# Allegro board SDHCalFEB20180110.brd (continued)
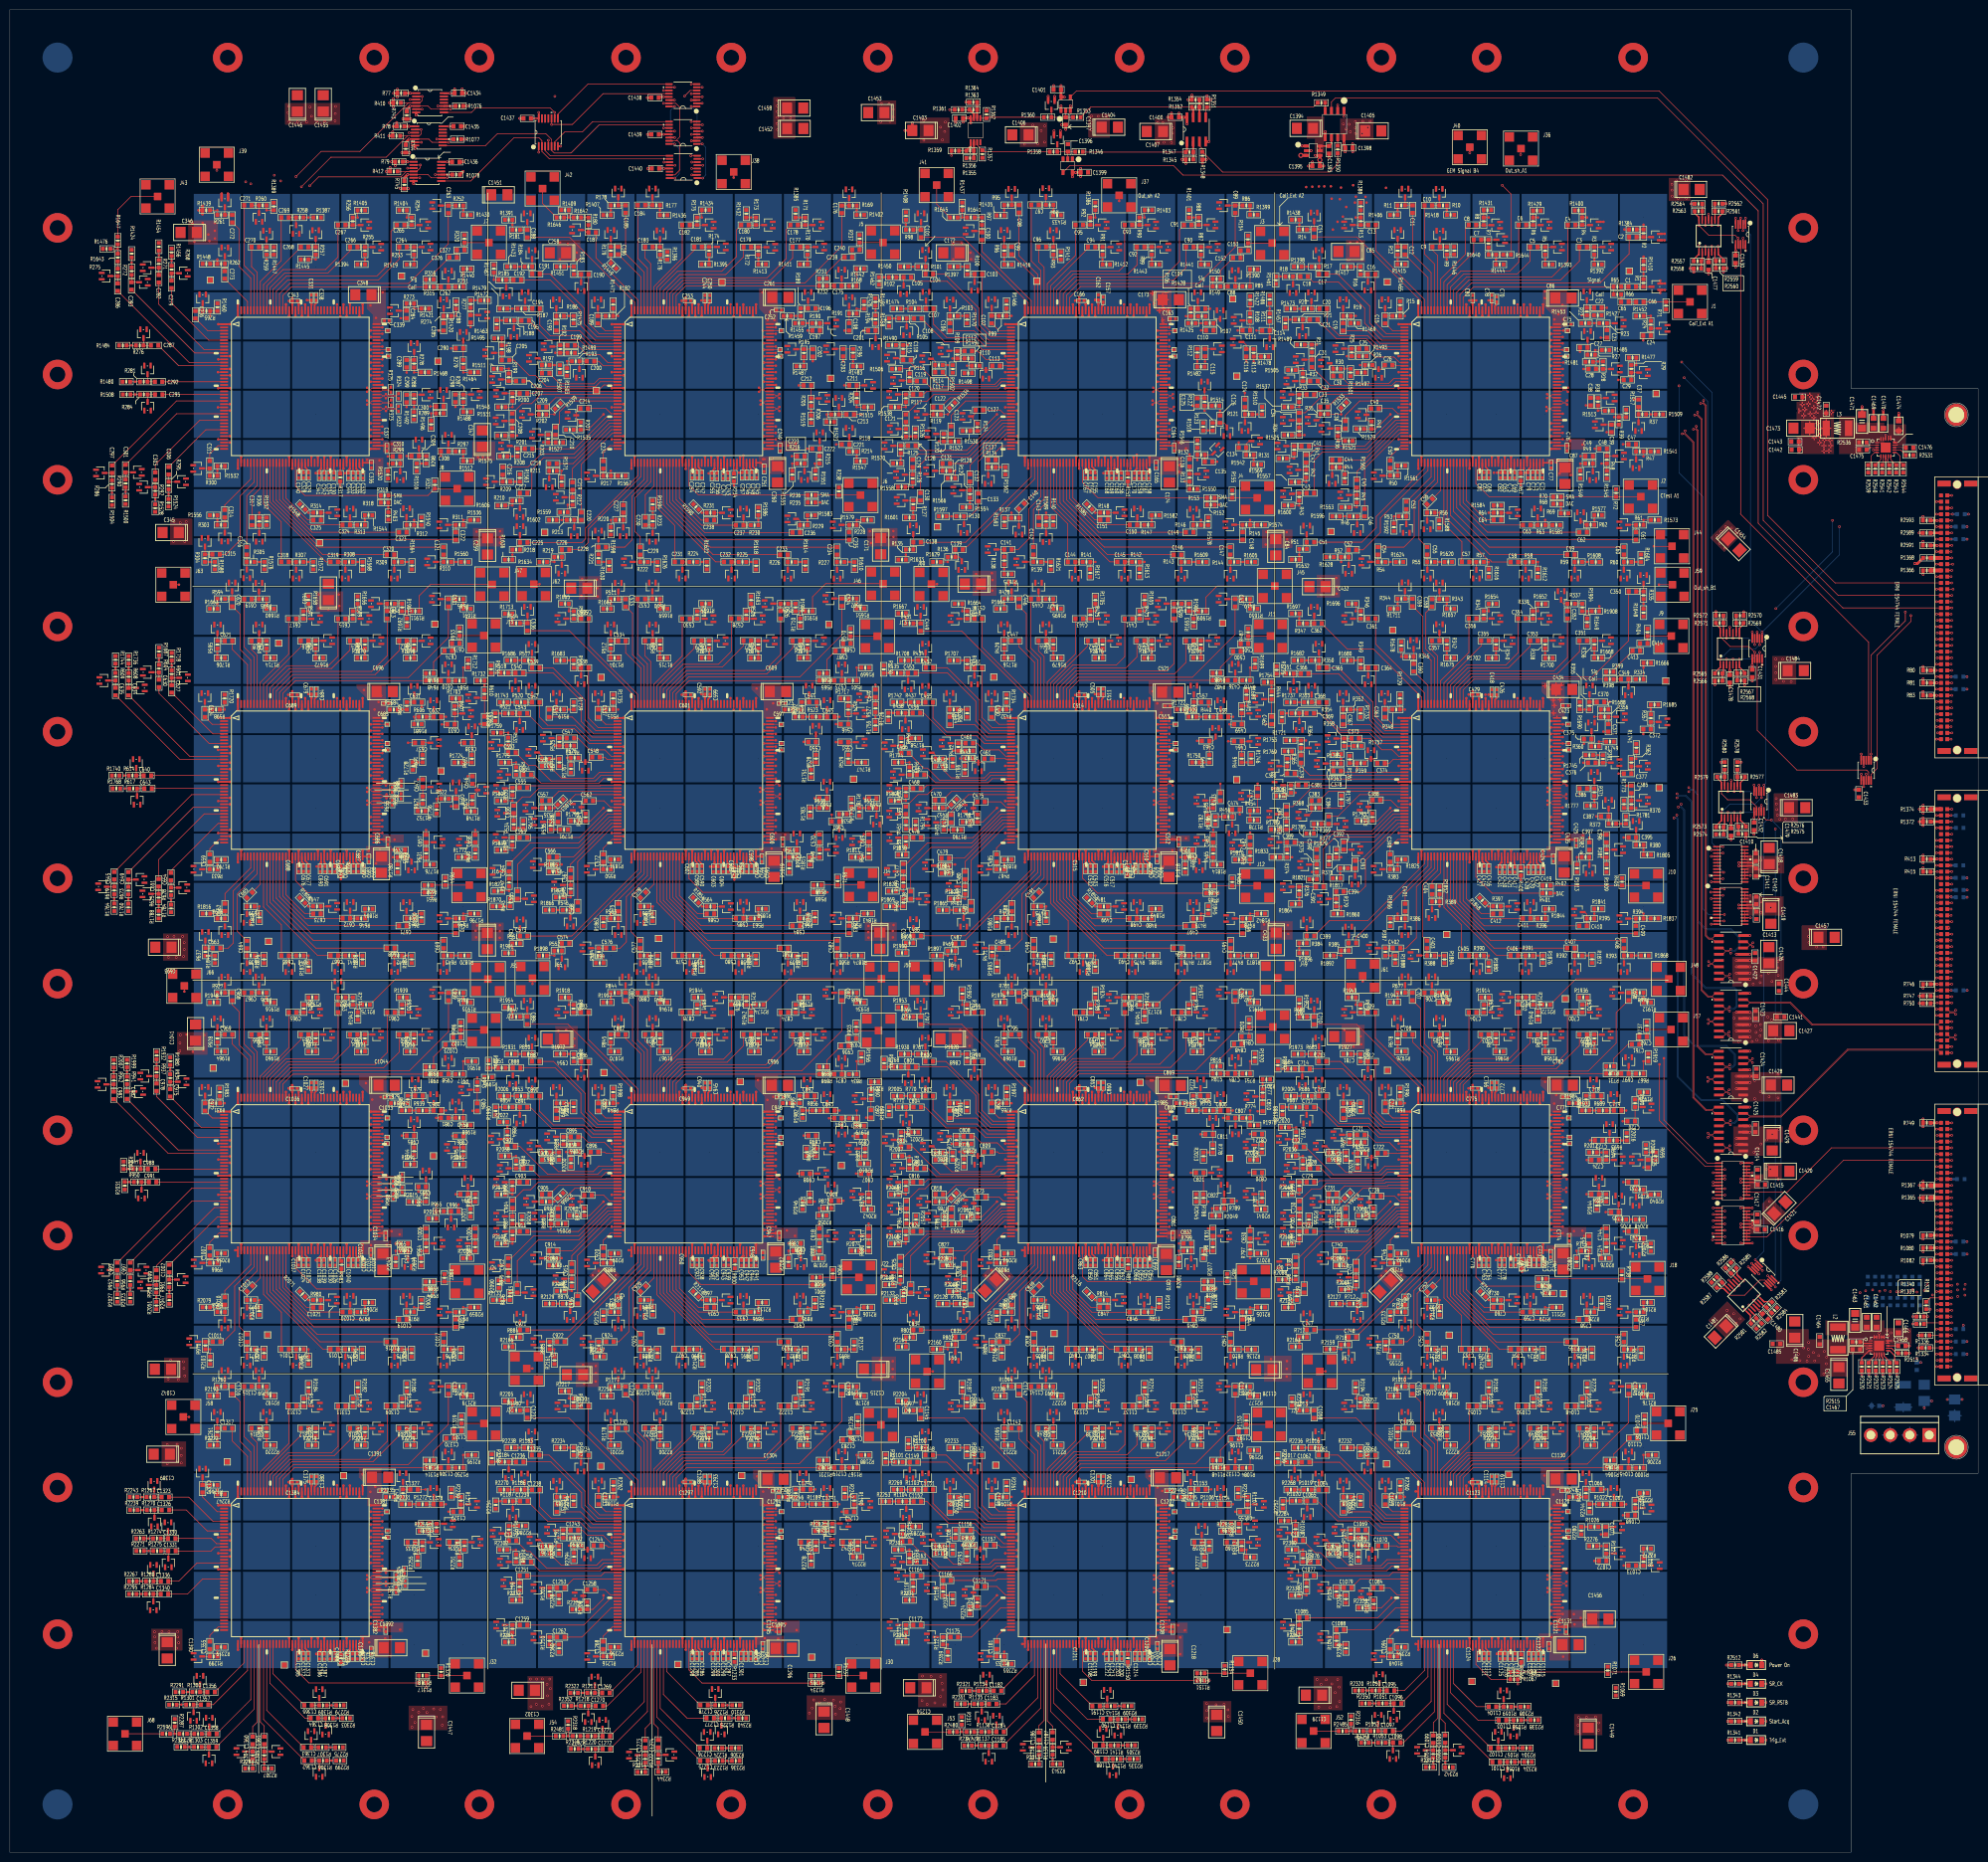
[diagram p0: board, top side]
## Routing (per net, layer and track width the routed paths; a pad name or vN(x,y) marks a point on that pad's centre or on a via; arc(x,y) is an arc through that point) (continued)
  SIG2 w0.127: v2(72.64,221.41) 79.05,221.41 79.76,220.7 96.9,220.7 97.46,220.14 123.57,220.14 124.23,220.8 151.61,220.8 152.22,221.41 v2(154.13,221.41) 158.91,221.41 160.25,220.07 203.45,220.07 204.17,220.78 231.67,220.78 232.31,221.41 v2(234.14,221.41) 239.5,221.41 240.61,220.29 272.11,220.29 272.88,219.52 311.77,219.52 313.66,221.41 v2(316.49,221.41)
  BOTTOM w0.508: R414.2 394.75,197.99 v4(394.75,198)
TRANSMITON1B_C: length 349.1
  TOP w0.127: U715.106 v1(153.39,141.4) ; U650.106 v1(233.4,141.4) ; J34.B10 v4(391.92,173.87) 390.71,173.87 R747.2 ; U585.106 v1(315.78,141.4) ; U780.106 v1(73.38,141.4)
  GND1 w0.127: v1(73.38,141.4) v2(72.65,141.4) ; v1(233.4,141.4) v2(232.67,141.4) ; v1(153.39,141.4) v2(154.13,141.4) ; v1(315.78,141.4) v2(316.51,141.4)
  SIG1 w0.127: v4(391.92,173.87) 391.33,173.28 383.03,173.28 350.37,140.61 346.02,140.61 343.36,137.95 v2(332.74,137.95)
  SIG2 w0.127: v2(72.65,141.4) 78.54,141.4 79.83,140.11 123.75,140.11 124.36,140.72 151.74,140.72 152.42,141.4 v2(154.13,141.4) 161.01,141.4 161.72,140.69 191.01,140.69 191.59,140.11 203.2,140.11 203.78,140.69 231.96,140.69 v2(232.67,141.4) 239.91,141.4 240.69,140.61 257.61,140.61 258.69,139.53 311.87,139.53 313.74,141.4 v2(316.51,141.4) 317.5,141.4 320.95,137.95 v2(332.74,137.95)
TRANSMITON1B_D: length 362.3
  TOP w0.127: U845.106 v1(315.78,61.39) ; J33.B20 v4(391.92,122.81) ; U975.106 v1(153.39,61.39) ; U1040.106 v1(73.38,61.39) ; U910.106 v1(233.4,61.39)
  TOP w0.508: R1080.2 391.91,122.82 v4(391.92,122.81)
  GND1 w0.127: v1(233.4,61.39) v2(234.14,61.39) ; v1(73.38,61.39) v2(74.12,61.39) ; v1(153.39,61.39) v2(154.13,61.39) ; v1(315.78,61.39) v2(316.51,61.39)
  SIG1 w0.127: v2(316.51,61.39) 328.11,61.39 353.77,87.05 353.77,97.28 379.3,122.81 v4(391.92,122.81)
  SIG2 w0.127: v2(316.51,61.39) 313.66,61.39 312.93,60.66 284.23,60.66 283.67,60.1 239.73,60.1 238.43,61.39 v2(234.14,61.39) 233.19,61.39 232.54,60.73 204.52,60.73 203.86,60.07 159.94,60.07 158.63,61.39 v2(154.13,61.39) 153.08,61.39 152.43,60.73 124.36,60.73 123.7,60.07 79.63,60.07 78.31,61.39 v2(74.12,61.39)
TRANSMITON1B_E: length 1.7
  TOP w0.127: J33.A5 v4(394.75,103.76)
  BOTTOM w0.127: R1335.1 395.7,103.76 v4(394.75,103.76)
TRANSMITON2B_A: length 360.9
  TOP w0.127: U260.107 v1(75.74,302.07) ; J35.A11 v4(394.75,238.89) ; v1(235.76,302.07) U130.107 ; U65.107 v1(313.41,302.07) ; v1(155.75,302.07) 154.57,302.07 U195.107
  GND1 w0.127: v2(156.49,302.07) v1(155.75,302.07) ; v2(236.5,302.07) v1(235.76,302.07) ; v1(313.41,302.07) v2(314.15,302.07) ; v1(75.74,302.07) v2(76.48,302.07)
  SIG1 w0.127: v2(314.15,302.07) 317.72,302.07 318.59,302.95 323.75,302.95 344.07,282.63 344.07,279.53 384.12,239.47 394.17,239.47 v4(394.75,238.89)
  SIG2 w0.127: v2(314.15,302.07) 312.61,302.07 311.28,300.74 284.18,300.74 283.57,300.13 262.73,300.13 261.54,301.31 239.4,301.31 238.65,302.07 v2(236.5,302.07) 232.4,302.07 232.14,302.07 231.47,301.4 209.88,301.4 209.25,302.03 202.49,302.03 201.35,300.89 181.12,300.89 180.52,301.5 159.41,301.5 158.84,302.07 v2(156.49,302.07) 143.68,302.07 142.67,301.07 129.46,301.07 128.22,302.31 120.27,302.31 119.59,301.63 110.77,301.63 110.32,302.07 v2(76.48,302.07)
  BOTTOM w0.508: R82.2 394.75,238.89 v4(394.75,238.89)
TRANSMITON2B_B: length 340.5
  TOP w0.127: U520.107 v1(75.74,222.06) ; U455.107 v1(155.75,222.06) ; v1(235.76,222.06) U390.107 ; U325.107 v1(313.41,222.06) ; R415.2 391.9,199.25 v4(391.92,199.27) J34.B30
  GND1 w0.127: v1(75.74,222.06) v2(76.48,222.06) ; v1(235.76,222.06) v2(236.5,222.06) ; v1(313.41,222.06) v2(314.15,222.06) ; v1(155.75,222.06) v2(156.49,222.06)
  SIG1 w0.127: v4(391.92,199.27) 380.57,199.27 362.33,217.5 358.29,217.5 353.02,222.77 318.35,222.77 317.64,222.06 v2(314.15,222.06)
  SIG2 w0.127: v2(76.48,222.06) 96.76,222.06 97.93,220.89 117.51,220.89 118.9,222.28 126.34,222.28 126.99,221.63 144.23,221.63 144.98,222.38 152.1,222.38 152.41,222.06 v2(156.49,222.06) 159.3,222.06 160.68,220.68 198.7,220.68 200.28,222.25 209.78,222.25 210.54,221.49 231.78,221.49 232.35,222.06 v2(236.5,222.06) 239.92,222.06 241.08,220.89 277.28,220.89 278.08,220.09 283.64,220.09 284.3,220.75 311.79,220.75 313.09,222.06 v2(314.15,222.06)
TRANSMITON2B_C: length 349
  TOP w0.127: v1(235.76,142.05) U650.107 ; U585.107 v1(313.41,142.05) ; U780.107 v1(75.74,142.05) ; U715.107 v1(155.75,142.05) ; J34.A11 v4(394.75,175.14)
  GND1 w0.127: v1(235.76,142.05) v2(236.5,142.05) ; v1(155.75,142.05) v2(156.49,142.05) ; v1(313.41,142.05) v2(314.15,142.05) ; v1(75.74,142.05) v2(76.48,142.05)
  SIG1 w0.127: v2(329.77,138.68) 331.98,140.89 349.28,140.89 382.88,174.5 394.12,174.5 v4(394.75,175.14)
  SIG2 w0.127: v2(329.77,138.68) 323.34,138.68 319.98,142.05 v2(314.15,142.05) 313.12,142.05 311.84,140.77 284.05,140.77 283.41,140.13 258.95,140.13 257.86,141.22 241.15,141.22 240.32,142.05 v2(236.5,142.05) 232.3,142.05 231.6,141.35 208.15,141.35 207.24,142.27 200.61,142.27 199.42,141.07 191.47,141.07 190.49,142.05 v2(156.49,142.05) 152.34,142.05 151.74,141.45 128.65,141.45 127.84,142.27 116.1,142.27 114.73,140.89 80.32,140.89 79.16,142.05 v2(76.48,142.05)
  BOTTOM w0.508: v4(394.75,175.14) 394.75,175.13 R748.2
TRANSMITON2B_D: length 364.5
  TOP w0.127: U1040.107 v1(75.74,62.04) ; J33.A21 v4(394.75,124.08) ; U910.107 v1(235.76,62.04) ; U975.107 v1(155.75,62.04) ; U845.107 v1(313.41,62.04)
  GND1 w0.127: v1(75.74,62.04) v2(76.48,62.04) ; v1(155.75,62.04) v2(156.49,62.04) ; v1(235.76,62.04) v2(236.5,62.04) ; v1(313.41,62.04) v2(314.15,62.04)
  SIG1 w0.127: v4(394.75,124.08) 394.17,123.49 378.97,123.49 353.01,97.54 353.01,87.22 330.3,64.52 324.33,64.52 321.86,62.04 v2(314.15,62.04)
  SIG2 w0.127: v2(314.15,62.04) 313.32,62.04 312.67,61.39 288.39,61.39 287.5,62.28 277.22,62.28 275.74,60.81 239.88,60.81 238.65,62.04 v2(236.5,62.04) 232.75,62.04 232.08,61.37 207.7,61.37 206.81,62.25 198.17,62.25 196.63,60.72 159.96,60.72 158.64,62.04 v2(156.49,62.04) 152.9,62.04 152.3,61.44 127.61,61.44 127.09,61.96 122.97,61.96 121.82,60.81 79.76,60.81 78.52,62.04 v2(76.48,62.04)
  BOTTOM w0.508: v4(394.75,124.08) 394.75,124.08 R1081.2
TRANSMITON2B_E: length 2.4
  TOP w0.127: R1336.1 392.7,105.03 J33.B6
TRIGEXT_A: length 362
  TOP w0.127: U195.86 154.57,288.42 v1(155.75,288.42) ; U65.86 v1(315.77,288.42) ; J35.B6 v4(391.92,232.54) ; v1(233.4,288.42) U130.86 ; U260.86 v1(75.74,288.42)
  GND1 w0.127: v1(75.74,288.42) v2(76.48,288.42) ; v1(315.77,288.42) v2(316.51,288.42) ; v1(233.4,288.42) 232.96,288.42 232.95,288.42 232.87,288.42 232.87,288.42 v2(232.66,288.42) ; v2(156.49,288.42) v1(155.75,288.42)
  SIG1 w0.127: v4(391.92,232.54) 372.51,232.54 356.01,249.05 354.05,249.05 339.12,263.98 339.12,275.08 326.44,287.76 317.17,287.76 v2(316.51,288.42)
  SIG2 w0.127: v2(316.51,288.42) 308.11,288.42 305.49,285.8 292.02,285.8 288.9,282.68 269.32,282.68 268.1,281.46 246.51,281.46 239.55,288.42 v2(232.66,288.42) 209.5,288.42 208.2,287.12 203.58,287.12 202.28,288.42 v2(156.49,288.42) 131.32,288.42 129.95,287.05 123.65,287.05 122.94,287.76 105.82,287.76 105.21,287.15 80.54,287.15 79.27,288.42 v2(76.48,288.42)
TRIGEXT_B: length 337.2
  TOP w0.127: U455.86 v1(155.75,208.41) ; J34.B25 v4(391.92,192.92) ; U520.86 v1(75.74,208.41) ; U325.86 v1(315.77,208.41) ; U390.86 v1(235.76,208.41) U390.86
  GND1 w0.127: v1(75.74,208.41) v2(76.48,208.41) ; v1(315.77,208.41) v2(316.79,208.41) ; v1(235.76,208.41) v2(236.5,208.41) ; v1(155.75,208.41) v2(156.49,208.41)
  SIG1 w0.127: v4(391.92,192.92) 379.78,192.92 367.84,204.85 320.35,204.85 v2(316.79,208.41)
  SIG2 w0.127: v2(76.48,208.41) 81.48,208.41 82.58,207.31 107.04,207.31 108.13,208.41 v2(156.49,208.41) 163.04,208.41 165.21,206.24 200.42,206.24 202.59,208.41 v2(236.5,208.41) 240.54,208.41 243.79,205.16 288.82,205.16 292.08,208.41 v2(316.79,208.41)
TRIGEXT_C: length 337.9
  TOP w0.127: U650.86 v1(235.76,128.4) ; U715.86 v1(155.75,128.4) ; v1(315.78,128.4) U585.86 ; J33.B38 v4(391.92,145.67) ; U780.86 v1(75.74,128.4)
  GND1 w0.127: v1(155.75,128.4) v2(156.49,128.4) ; v1(315.78,128.4) v2(315.04,128.4) ; v1(75.74,128.4) v2(76.48,128.4) ; v1(235.76,128.4) v2(236.5,128.4)
  SIG1 w0.127: v2(315.04,128.4) 327.68,128.4 328.14,127.94 345.21,127.94 346.28,129.01 347.5,129.01 348.29,129.8 353.12,129.8 353.57,130.25 358.29,130.25 373.71,145.67 v4(391.92,145.67)
  SIG2 w0.127: v2(315.04,128.4) 295.13,128.4 292.53,125.81 242.95,125.81 240.36,128.4 v2(236.5,128.4) 215.24,128.4 212.65,125.81 163.04,125.81 160.45,128.4 v2(156.49,128.4) 133.05,128.4 130.43,125.78 84.4,125.78 81.78,128.4 v2(76.48,128.4)
TRIGEXT_D: length 360
  TOP w0.127: U910.86 v1(235.76,48.39) ; U845.86 v1(315.78,48.39) ; U1040.86 v1(75.74,48.39) ; J33.B16 392.7,117.73 v4(391.92,117.73) ; U975.86 v1(155.75,48.39)
  GND1 w0.127: v1(235.76,48.39) v2(236.5,48.39) ; v1(155.75,48.39) v2(156.49,48.39) ; v1(315.78,48.39) v2(316.51,48.39) ; v1(75.74,48.39) v2(76.48,48.39)
  SIG1 w0.127: v4(391.92,117.73) 378.97,117.73 356.59,95.35 356.59,82.68 322.3,48.39 v2(316.51,48.39)
  SIG2 w0.127: v2(316.51,48.39) v2(236.5,48.39) v2(156.49,48.39) v2(76.48,48.39)
TRIGEXT_E: length 100.6
  TOP w0.127: J33.A1 v4(394.75,98.68) ; v4(357.12,22.78) 356.24,22.78
  SIG1 w0.127: v4(394.75,98.68) 393.84,97.76 390.14,97.76 379.88,87.5 370.94,87.5 359.11,75.67 359.11,24.77 v4(357.12,22.78)
V_BG_ASIC_A1: length 10.9
  TOP w0.305: v1(305.27,283.53) U65.70 305.27,280.58 C73.2 ; v1(307.24,277.75) R67.2
  GND1 w0.305: v1(305.27,283.53) v2(305.27,282.41) ; v1(307.24,277.75) v2(307.24,278.49)
  SIG3 w0.305: v2(307.24,278.49) 307.24,280.44 v2(305.27,282.41)
V_BG_ASIC_A2: length 12.5
  TOP w0.305: v1(227.36,277.65) 227.36,278.58 R151.2 ; v1(225.26,283.53) U130.70 225.26,280.46 C160.2
  GND1 w0.305: v1(225.26,283.53) v2(225.26,284.26) ; v2(227.36,278.38) v1(227.36,277.65)
  SIG2 w0.305: v2(225.26,284.26) 225.26,280.48 v2(227.36,278.38)
V_BG_ASIC_A3: length 11
  TOP w0.305: R234.2 v1(147.25,277.7) ; v1(145.25,283.53) U195.70 145.25,280.42 C247.2
  GND1 w0.305: v1(147.25,277.7) v2(147.25,278.43) ; v1(145.25,283.53) v2(145.25,282.79)
  SIG3 w0.305: v2(147.25,278.43) 147.27,278.46 147.27,279.57 145.25,281.6 v2(145.25,282.79)
V_BG_ASIC_A4: length 11.1
  TOP w0.305: R317.2 67.18,278.61 v1(67.18,277.65) ; C334.2 65.24,280.6 U260.70 v1(65.24,283.53)
  GND1 w0.305: v1(65.24,283.53) v2(65.24,282.79) ; v2(67.18,278.38) v1(67.18,277.65)
  SIG3 w0.305: v2(67.18,278.38) 67.18,280.84 v2(65.24,282.79)
V_BG_ASIC_B1: length 11.2
  TOP w0.305: v1(305.27,203.52) U325.70 305.27,200.95 305.05,200.73 C421.2 ; v1(307.26,197.56) 307.27,197.57 R400.2
  GND1 w0.305: v1(305.27,203.52) v2(305.27,202.78) ; v1(307.26,197.56) v2(307.26,198.3)
  SIG3 w0.305: v2(307.26,198.3) 305.27,200.29 v2(305.27,202.78)
V_BG_ASIC_B5: length 2.1
  TOP w0.305: U390.70 225.26,200.87 225.08,200.7 C508.2
V_BG_ASIC_B6: length 11
  TOP w0.305: v1(145.25,203.52) U455.70 145.25,200.97 145.1,200.83 C595.2 ; v1(147.33,197.64) R567.2
  GND1 w0.305: v1(145.25,203.52) v2(145.25,202.78) ; v2(147.33,198.37) v1(147.33,197.64)
  SIG3 w0.305: v2(145.25,202.78) 145.25,200.46 v2(147.33,198.37)
V_BG_ASIC_B7: length 10.9
  TOP w0.305: C682.2 65.09,200.8 65.24,200.95 U520.70 v1(65.24,203.52) ; v1(67.32,197.71) R650.2
  GND1 w0.305: v1(65.24,203.52) v2(65.24,202.78) ; v2(67.32,198.45) v1(67.32,197.71)
  SIG3 w0.305: v2(65.24,202.78) 67.32,200.7 v2(67.32,198.45)
V_BG_ASIC_C1: length 10.5
  TOP w0.305: C769.2 305.27,120.37 U585.70 v1(305.27,123.51) ; v1(307.5,117.93) R733.2
  GND1 w0.305: v1(305.27,123.51) v2(305.27,122.77) ; v1(307.5,117.93) v2(307.5,118.67)
  SIG3 w0.305: v2(305.27,122.77) 307.5,120.54 v2(307.5,118.67)
V_BG_ASIC_C2: length 3.2
  TOP w0.305: v1(225.26,123.51) U650.70 225.26,120.42 C856.2
V_BG_ASIC_C3: length 2
  TOP w0.305: C943.2 145.15,120.89 145.25,120.99 U715.70
V_BG_ASIC_C4: length 10.9
  TOP w0.305: C1030.2 65.09,120.82 65.24,120.97 U780.70 v1(65.24,123.51)
  TOP w0.508: v1(67.42,117.68) R983.2
  GND1 w0.508: v2(67.41,118.41) 67.41,118.41 67.41,117.69 v1(67.42,117.68) ; v1(65.24,123.51) v2(65.24,122.77)
  SIG3 w0.508: v2(67.41,118.41) 65.24,120.59 v2(65.24,122.77)
V_BG_ASIC_D1: length 10.9
  TOP w0.305: v1(305.27,43.5) U845.70 305.27,40.83 305.1,40.66 C1117.2
  TOP w0.508: R1066.2 v1(307.34,37.69)
  GND1 w0.508: v1(307.34,37.69) v2(307.34,38.43) ; v2(305.27,42.76) v1(305.27,43.5)
  SIG2 w0.508: v2(305.27,42.76) 307.34,40.69 v2(307.34,38.43)
V_BG_ASIC_D2: length 11.2
  TOP w0.305: C1203.2 225.11,40.66 225.26,40.8 U910.70 v1(225.26,43.68)
  TOP w0.508: v1(227.34,37.72) R1150.2
  GND1 w0.508: v2(227.34,38.46) v1(227.34,37.72) ; v1(225.26,43.68) v2(225.26,42.94)
  SIG2 w0.508: v2(225.26,42.94) 225.26,40.54 v2(227.34,38.46)
V_BG_ASIC_D3: length 3.2
  TOP w0.305: v1(145.25,43.5) U975.70 145.25,40.46 C1290.2
V_BG_ASIC_D4: length 2.1
  TOP w0.305: U1040.70 65.24,40.96 65.09,40.81 C1377.2
VAL_EVTN: length 46.3
  TOP w0.102: U1054.7 353.21,150.14 353.73,149.62 360.11,149.62 373.67,163.18 392.17,163.18 J34.B2
VAL_EVTN_A: length 432.7
  TOP w0.102: v1(156.48,293.7) 156.18,293.4 155.74,293.4 155.52,293.62 U195.94 ; U65.94 313.64,293.62 313.43,293.4 312.78,293.4 v1(312.48,293.7) ; R322.2 78.64,293.42 76.76,293.42 v1(76.47,293.7) 76.18,293.4 75.73,293.4 75.51,293.62 U260.94 ; v4(340.66,288.84) 340.66,288.37 342.43,286.6 342.43,153.43 344.97,150.89 346.21,150.89 346.74,151.41 U1054.9 ; v1(236.7,293.7) 236.4,293.4 235.75,293.4 235.53,293.62 U130.94
  GND1 w0.102: v2(238.13,293.77) 237.76,293.4 237,293.4 v1(236.7,293.7) ; v2(157.85,293.77) 157.48,293.4 156.78,293.4 v1(156.48,293.7) ; v2(311.05,293.78) 311.42,293.41 312.18,293.41 v1(312.48,293.7) ; v1(76.47,293.7) 76.77,293.4 77.53,293.4 v2(77.91,293.78)
  SIG2 w0.102: v4(340.66,288.84) 340.25,288.84 338.43,290.65 322.25,290.65 319.51,293.4 311.43,293.4 v2(311.05,293.78) 310.68,293.4 305.24,293.4 301.78,289.94 252.25,289.94 250.75,291.44 242.63,291.44 240.67,293.4 238.5,293.4 v2(238.13,293.77) 237.76,293.4 209.43,293.4 208.33,292.3 203.12,292.3 201.19,294.23 170.94,294.23 170.11,293.4 158.22,293.4 v2(157.85,293.77) 157.48,293.4 127.62,293.4 125.78,291.57 82.37,291.57 80.54,293.4 78.28,293.4 v2(77.91,293.78)
VAL_EVTN_B: length 363.3
  TOP w0.102: U455.94 153.62,213.61 153.41,213.39 152.96,213.39 v1(152.66,213.69) ; v4(349.87,147.83) 349.57,148.13 348.81,148.13 348.28,147.6 U1054.12 ; U325.94 313.64,213.61 313.43,213.39 312.98,213.39 v1(312.68,213.69) ; R655.2 77.4,213.39 75.73,213.39 75.51,213.61 U520.94 73.61,213.61 73.4,213.39 72.99,213.39 v1(72.69,213.69) ; U390.94 233.63,213.61 233.42,213.39 232.97,213.39 v1(232.67,213.69)
  GND1 w0.102: v2(234.1,213.76) 233.73,213.39 232.97,213.39 v1(232.67,213.69) ; v2(314.11,213.76) 313.74,213.39 312.98,213.39 v1(312.68,213.69) ; v1(152.66,213.69) 152.96,213.39 153.56,213.39 v2(153.93,213.76) ; v2(74.02,213.76) 73.65,213.39 72.99,213.39 v1(72.69,213.69)
  SIG2 w0.102: v4(338.97,210.75) 338.55,210.75 337.76,211.54 320.76,211.54 318.94,213.37 314.5,213.37 v2(314.11,213.76) 313.74,213.39 289.21,213.39 287.3,211.48 257.25,211.48 255.35,213.39 234.48,213.39 v2(234.1,213.76) 233.7,213.36 204.93,213.36 203.89,214.4 179.71,214.4 178.7,213.39 154.3,213.39 v2(153.93,213.76) 153.56,213.39 125.09,213.39 124.05,214.43 101.32,214.43 100.27,213.37 74.42,213.37 v2(74.02,213.76)
  BOTTOM w0.102: v4(338.97,210.75) 338.97,210.33 339.31,209.99 339.31,157.6 343.97,152.93 348.34,152.93 351.41,149.86 351.41,148.77 350.77,148.13 350.17,148.13 v4(349.87,147.83)
VAL_EVTN_C: length 303.1
  TOP w0.102: U1054.13 346.76,146.33 346.23,145.8 345.62,145.8 v4(345.32,146.1) ; v1(312.68,133.68) 312.98,133.38 313.43,133.38 313.65,133.6 U585.94 ; U715.94 153.62,133.6 153.41,133.38 152.96,133.38 v1(152.66,133.68) ; v1(72.65,133.68) 72.95,133.38 73.4,133.38 73.61,133.6 U780.94 75.51,133.6 75.73,133.38 77.6,133.38 R988.2 ; U650.94 233.64,133.6 233.42,133.38 232.97,133.38 v1(232.67,133.68)
  GND1 w0.102: v2(153.78,133.75) 153.41,133.38 152.96,133.38 v1(152.66,133.68) ; v2(314.01,133.75) 313.64,133.38 312.98,133.38 v1(312.68,133.68) ; v2(234.1,133.75) 233.73,133.38 232.97,133.38 v1(232.67,133.68) ; v2(73.8,133.75) 73.43,133.38 72.95,133.38 v1(72.65,133.68)
  SIG1 w0.102: v4(345.32,146.1) 345.02,145.8 332.66,145.8 320.24,133.38 314.38,133.38 v2(314.01,133.75)
  SIG2 w0.102: v2(314.01,133.75) 313.64,133.38 289.14,133.38 287.39,131.64 258.35,131.64 256.61,133.38 234.47,133.38 v2(234.1,133.75) 233.73,133.38 208.97,133.38 207.21,131.62 178.54,131.62 176.78,133.38 154.15,133.38 v2(153.78,133.75) 153.41,133.38 128.1,133.38 126.36,131.64 98.99,131.64 97.25,133.38 74.17,133.38 v2(73.8,133.75)
VAL_EVTN_D: length 383.2
  TOP w0.102: U1054.16 348.31,142.52 348.84,143.05 349.43,143.05 v4(349.73,142.75) ; v1(72.65,53.67) 72.95,53.37 73.4,53.37 73.61,53.59 U1040.94 75.51,53.59 75.73,53.37 78.14,53.37 R1321.2 ; v1(312.68,53.67) 312.98,53.37 313.43,53.37 313.65,53.59 U845.94 ; v1(152.66,53.67) 152.96,53.37 153.41,53.37 153.63,53.59 U975.94 ; U910.94 233.64,53.59 233.42,53.37 232.97,53.37 v1(232.67,53.67)
  GND1 w0.102: v2(233.82,53.74) 233.45,53.37 232.97,53.37 v1(232.67,53.67) ; v2(313.81,53.74) 313.44,53.37 312.98,53.37 v1(312.68,53.67) ; v1(72.65,53.67) 72.95,53.37 73.43,53.37 v2(73.8,53.74) ; v1(152.66,53.67) 152.96,53.37 153.47,53.37 v2(153.84,53.74)
  SIG2 w0.102: v2(73.8,53.74) 74.18,53.37 153.46,53.37 v2(153.84,53.74) 154.21,53.37 233.45,53.37 v2(233.82,53.74) 234.19,53.37 313.44,53.37 v2(313.81,53.74) 314.19,53.37 335.13,53.37 344.02,62.26 344.02,138.89 346.4,141.27 350.47,141.27 350.91,141.72 350.91,142.76 350.63,143.05 350.03,143.05 v4(349.73,142.75)
VAL_EVTP: length 46.3
  TOP w0.102: U1054.6 353.21,148.87 353.75,149.4 360.2,149.4 373.76,162.96 392.17,162.96 J34.B1
VAL_EVTP_A: length 432.7
  TOP w0.102: U65.93 313.64,292.97 313.43,293.19 312.78,293.19 v1(312.48,292.89) ; v1(236.7,292.89) 236.4,293.19 235.75,293.19 235.53,292.97 U130.93 ; U195.93 155.52,292.97 155.74,293.19 156.18,293.19 v1(156.48,292.89) ; U260.93 75.51,292.97 75.73,293.19 76.18,293.19 v1(76.47,292.89) 76.79,293.2 78.65,293.2 R322.1 ; v4(340.08,288.26) 340.46,288.26 342.21,286.51 342.21,153.34 344.88,150.67 346.23,150.67 346.76,150.14 U1054.10
  GND1 w0.102: v1(236.7,292.89) 237,293.19 237.76,293.19 v2(238.13,292.82) ; v1(312.48,292.89) 312.17,293.19 311.42,293.19 v2(311.05,292.82) ; v1(156.48,292.89) 156.78,293.19 157.48,293.19 v2(157.85,292.82) ; v1(76.47,292.89) 76.77,293.19 77.53,293.19 v2(77.91,292.82)
  SIG2 w0.102: v2(77.91,292.82) 78.28,293.19 80.45,293.19 82.28,291.35 125.87,291.35 127.71,293.19 157.48,293.19 v2(157.85,292.82) 158.22,293.19 170.2,293.19 171.03,294.02 201.1,294.02 203.03,292.09 208.42,292.09 209.52,293.19 237.76,293.19 v2(238.13,292.82) 238.5,293.19 240.58,293.19 242.54,291.22 250.66,291.22 252.16,289.73 301.87,289.73 305.33,293.19 310.68,293.19 v2(311.05,292.82) 311.41,293.18 319.42,293.18 322.16,290.44 338.34,290.44 340.08,288.7 v4(340.08,288.26)
VAL_EVTP_B: length 362.5
  TOP w0.102: R655.1 77.35,213.18 75.73,213.18 75.51,212.96 U520.93 73.61,212.96 73.4,213.18 72.99,213.18 v1(72.69,212.88) ; v4(349.87,148.64) 349.57,148.34 348.81,148.34 348.28,148.87 U1054.11 ; U455.93 153.62,212.96 153.41,213.18 152.96,213.18 v1(152.66,212.88) ; v1(312.68,212.88) 312.98,213.18 313.43,213.18 313.64,212.96 U325.93 ; U390.93 233.63,212.96 233.42,213.18 232.97,213.18 v1(232.67,212.88)
  GND1 w0.102: v1(152.66,212.88) 152.96,213.18 153.56,213.18 v2(153.93,212.8) ; v2(234.1,212.8) 233.73,213.18 232.97,213.18 v1(232.67,212.88) ; v1(72.69,212.88) 72.99,213.18 73.65,213.18 v2(74.02,212.81) ; v2(314.11,212.81) 313.74,213.18 312.98,213.18 v1(312.68,212.88)
  SIG2 w0.102: v2(74.02,212.81) 74.38,213.16 100.36,213.16 101.41,214.21 123.96,214.21 125,213.18 153.56,213.18 v2(153.93,212.8) 154.3,213.18 178.79,213.18 179.79,214.19 203.8,214.19 204.84,213.14 233.76,213.14 v2(234.1,212.8) 234.47,213.17 255.26,213.17 257.16,211.26 287.39,211.26 289.3,213.18 313.74,213.18 v2(314.11,212.81) 314.46,213.16 318.85,213.16 320.67,211.33 337.67,211.33 338.4,210.6 v4(338.4,210.18)
  BOTTOM w0.102: v4(338.4,210.18) 338.82,210.18 339.09,209.9 339.09,157.51 343.88,152.72 348.25,152.72 351.19,149.77 351.19,148.86 350.68,148.34 350.17,148.34 v4(349.87,148.64)
VAL_EVTP_C: length 303.1
  TOP w0.102: U650.93 233.64,132.95 233.42,133.17 232.97,133.17 v1(232.67,132.87) ; v1(312.68,132.87) 312.98,133.17 313.43,133.17 313.65,132.95 U585.93 ; v1(72.65,132.87) 72.95,133.17 73.4,133.17 73.61,132.95 U780.93 75.51,132.95 75.73,133.17 77.6,133.17 R988.1 ; U1054.14 346.76,145.06 346.23,145.59 345.62,145.59 v4(345.32,145.29) ; v1(152.66,132.87) 152.96,133.17 153.41,133.17 153.62,132.95 U715.93
  GND1 w0.102: v1(152.66,132.87) 152.96,133.17 153.41,133.17 v2(153.78,132.8) ; v1(232.67,132.87) 232.97,133.17 233.73,133.17 v2(234.1,132.8) ; v1(72.65,132.87) 72.95,133.17 73.43,133.17 v2(73.8,132.8) ; v1(312.68,132.87) 312.98,133.17 313.64,133.17 v2(314.01,132.8)
  SIG1 w0.102: v4(345.32,145.29) 345.02,145.59 332.75,145.59 320.33,133.17 314.38,133.17 v2(314.01,132.8)
  SIG2 w0.102: v2(73.8,132.8) 74.17,133.17 97.16,133.17 98.9,131.43 126.45,131.43 128.19,133.17 153.41,133.17 v2(153.78,132.8) 154.15,133.17 176.69,133.17 178.45,131.41 207.3,131.41 209.06,133.17 233.73,133.17 v2(234.1,132.8) 234.47,133.17 256.52,133.17 258.26,131.43 287.48,131.43 289.23,133.17 313.64,133.17 v2(314.01,132.8)
VAL_EVTP_D: length 383.9
  TOP w0.102: v4(349.73,143.56) 349.43,143.26 348.84,143.26 348.31,143.79 U1054.15 ; U910.93 233.64,52.94 233.42,53.16 232.97,53.16 v1(232.67,52.86) ; v1(152.66,52.86) 152.96,53.16 153.41,53.16 153.62,52.94 U975.93 ; R1321.1 78.19,53.16 75.73,53.16 75.51,52.94 U1040.93 73.61,52.94 73.4,53.16 72.95,53.16 v1(72.65,52.86) ; U845.93 313.65,52.94 313.43,53.16 312.98,53.16 v1(312.68,52.86)
  GND1 w0.102: v1(152.66,52.86) 152.96,53.16 153.47,53.16 v2(153.84,52.78) ; v1(72.65,52.86) 72.95,53.16 73.43,53.16 v2(73.8,52.78) ; v2(313.81,52.78) 313.44,53.16 312.98,53.16 v1(312.68,52.86) ; v1(232.67,52.86) 232.97,53.16 233.45,53.16 v2(233.82,52.78)
  SIG2 w0.102: v4(349.73,143.56) 350.03,143.26 350.72,143.26 351.13,142.85 351.13,141.63 350.56,141.06 346.49,141.06 344.23,138.8 344.23,62.17 335.22,53.15 314.17,53.15 v2(313.81,52.78) 313.44,53.16 234.19,53.16 v2(233.82,52.78) 233.45,53.16 154.21,53.16 v2(153.84,52.78) 153.47,53.15 74.17,53.15 v2(73.8,52.78)
VREF1.25V: length 4.8
  TOP w0.305: U1044.6 268.74,347.21 C1393.1 268.26,346.72 U1041.6 U1041.5
VREF_DAC_ASIC_A1: length 2.1
  TOP w0.305: U65.71 305.92,280.4 C69.2
VREF_DAC_ASIC_A2: length 2.2
  TOP w0.305: C156.2 225.91,280.35 U130.71
VREF_DAC_ASIC_A3: length 2.2
  TOP w0.305: U195.71 145.9,280.31 C243.2
VREF_DAC_ASIC_A4: length 2.1
  TOP w0.305: U260.71 65.89,280.26 C330.2
VREF_DAC_ASIC_B1: length 2.2
  TOP w0.305: U325.71 305.92,200.99 306.04,200.87 C417.2
VREF_DAC_ASIC_B5: length 2.2
  TOP w0.305: C504.2 226.1,200.77 225.91,200.96 U390.71
VREF_DAC_ASIC_B6: length 2.1
  TOP w0.305: U455.71 145.9,201.17 146.09,200.97 C591.2
VREF_DAC_ASIC_B7: length 2.1
  TOP w0.305: U520.71 65.89,200.99 66.08,200.8 C678.2
VREF_DAC_ASIC_C1: length 2.1
  TOP w0.305: U585.71 305.92,121.11 306.21,120.81 C765.2
VREF_DAC_ASIC_C2: length 2.1
  TOP w0.305: C852.2 225.91,120.56 U650.71
VREF_DAC_ASIC_C3: length 2.1
  TOP w0.305: C939.2 146.14,120.76 145.9,121.01 U715.71
VREF_DAC_ASIC_C4: length 2.1
  TOP w0.305: C1026.2 66.13,120.81 65.89,121.06 U780.71
VREF_DAC_ASIC_D1: length 2.1
  TOP w0.305: U845.71 305.92,40.89 306.09,40.73 C1113.2
VREF_DAC_ASIC_D2: length 2.1
  TOP w0.305: U910.71 225.91,40.89 226.1,40.7 C1200.2
VREF_DAC_ASIC_D3: length 2.1
  TOP w0.305: U975.71 145.9,40.53 C1287.2
VREF_DAC_ASIC_D4: length 2.1
  TOP w0.305: U1040.71 65.89,41.07 66.08,40.88 C1374.2
VREF_PA_ASIC_A1: length 2.1
  TOP w0.305: C67.2 299.42,280.7 U65.61
VREF_PA_ASIC_A2: length 2.2
  TOP w0.305: U130.61 219.41,281.33 219.75,280.99 C154.2
VREF_PA_ASIC_A3: length 2.2
  TOP w0.305: C241.2 139.74,280.89 139.4,281.23 U195.61
VREF_PA_ASIC_A4: length 2.2
  TOP w0.305: C328.2 59.74,280.72 59.39,281.07 U260.61
VREF_PA_ASIC_B1: length 2.2
  TOP w0.305: C415.2 299.79,200.95 299.42,201.32 U325.61
VREF_PA_ASIC_B5: length 2.2
  TOP w0.305: C502.2 219.77,200.98 219.41,201.34 U390.61
VREF_PA_ASIC_B6: length 2.1
  TOP w0.305: U455.61 139.4,201.39 139.74,201.05 C589.2
VREF_PA_ASIC_B7: length 2.1
  TOP w0.305: C676.2 59.73,200.95 59.39,201.29 U520.61
VREF_PA_ASIC_C1: length 2.2
  TOP w0.305: C763.2 299.74,120.91 299.42,121.23 U585.61
VREF_PA_ASIC_C2: length 2.2
  TOP w0.305: C850.2 219.75,121.01 219.41,121.36 U650.61
VREF_PA_ASIC_C4: length 2.1
  TOP w0.305: C1024.2 59.73,120.7 59.39,121.04 U780.61
VREF_PA_ASIC_D1: length 2.1
  TOP w0.305: U845.61 299.42,41.14 299.76,40.8 C1111.2
VREF_PA_ASIC_D2: length 2.1
  TOP w0.305: U910.61 219.41,41.22 219.73,40.9 C1198.2
VREF_PA_ASIC_D3: length 2.1
  TOP w0.305: C1285.2 139.72,40.88 139.4,41.2 U975.61
VREF_PA_ASIC_D4: length 2.1
  TOP w0.305: U1040.61 59.39,41.17 59.71,40.85 C1372.2
VREF_SH_ASIC_A1: length 2.3
  TOP w0.305: C68.2 300.75,280.83 300.07,281.52 U65.62
VREF_SH_ASIC_A2: length 2.3
  TOP w0.305: U130.62 220.06,281.57 220.71,280.91 C155.2
VREF_SH_ASIC_A3: length 2.3
  TOP w0.305: C242.2 140.73,280.76 140.05,281.44 U195.62
